# Altium PCB Board.PcbDoc (part 1 of 2)
Units mil, origin at the board's own origin, x right, y up, seen from the top; angles counter-clockwise.
Board outline 1037 x 1968 mil, 4 copper layers (Top Layer, GND, PWR, Bottom Layer), stack 23.756 mil thick; 83 components, 64 nets, 353 pads, 191 vias.
Unrouted connection lines stored in the file: 13.
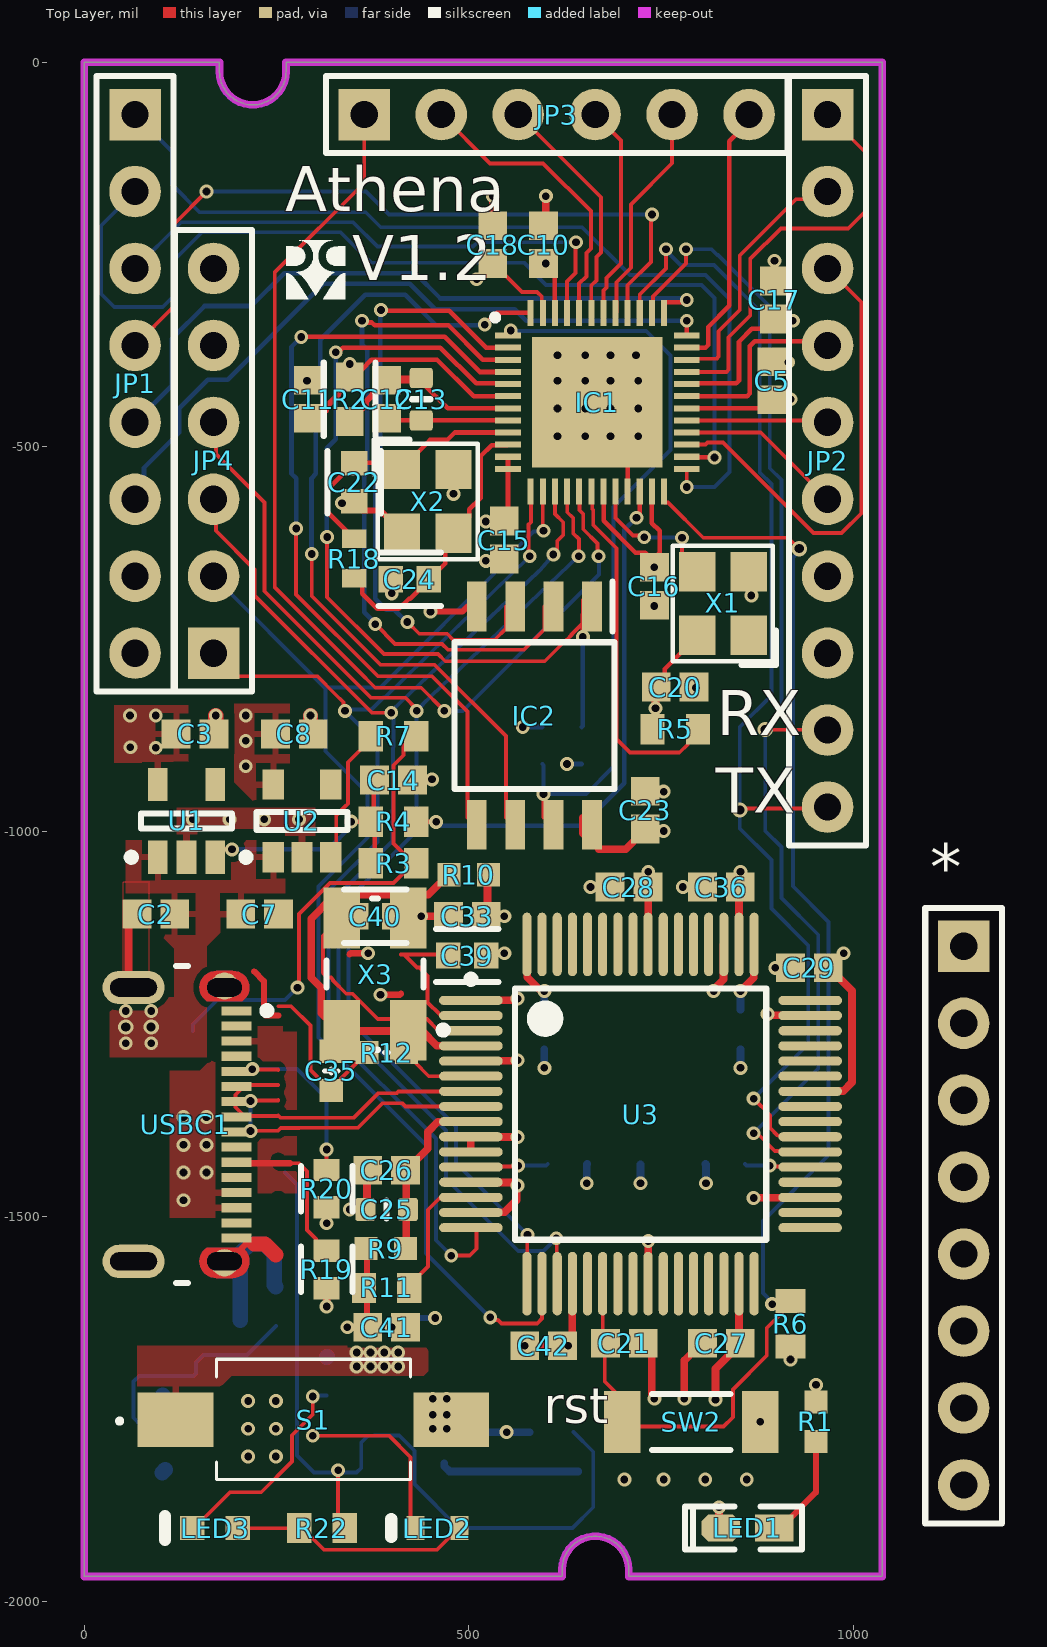
[diagram p0: Top Layer view]
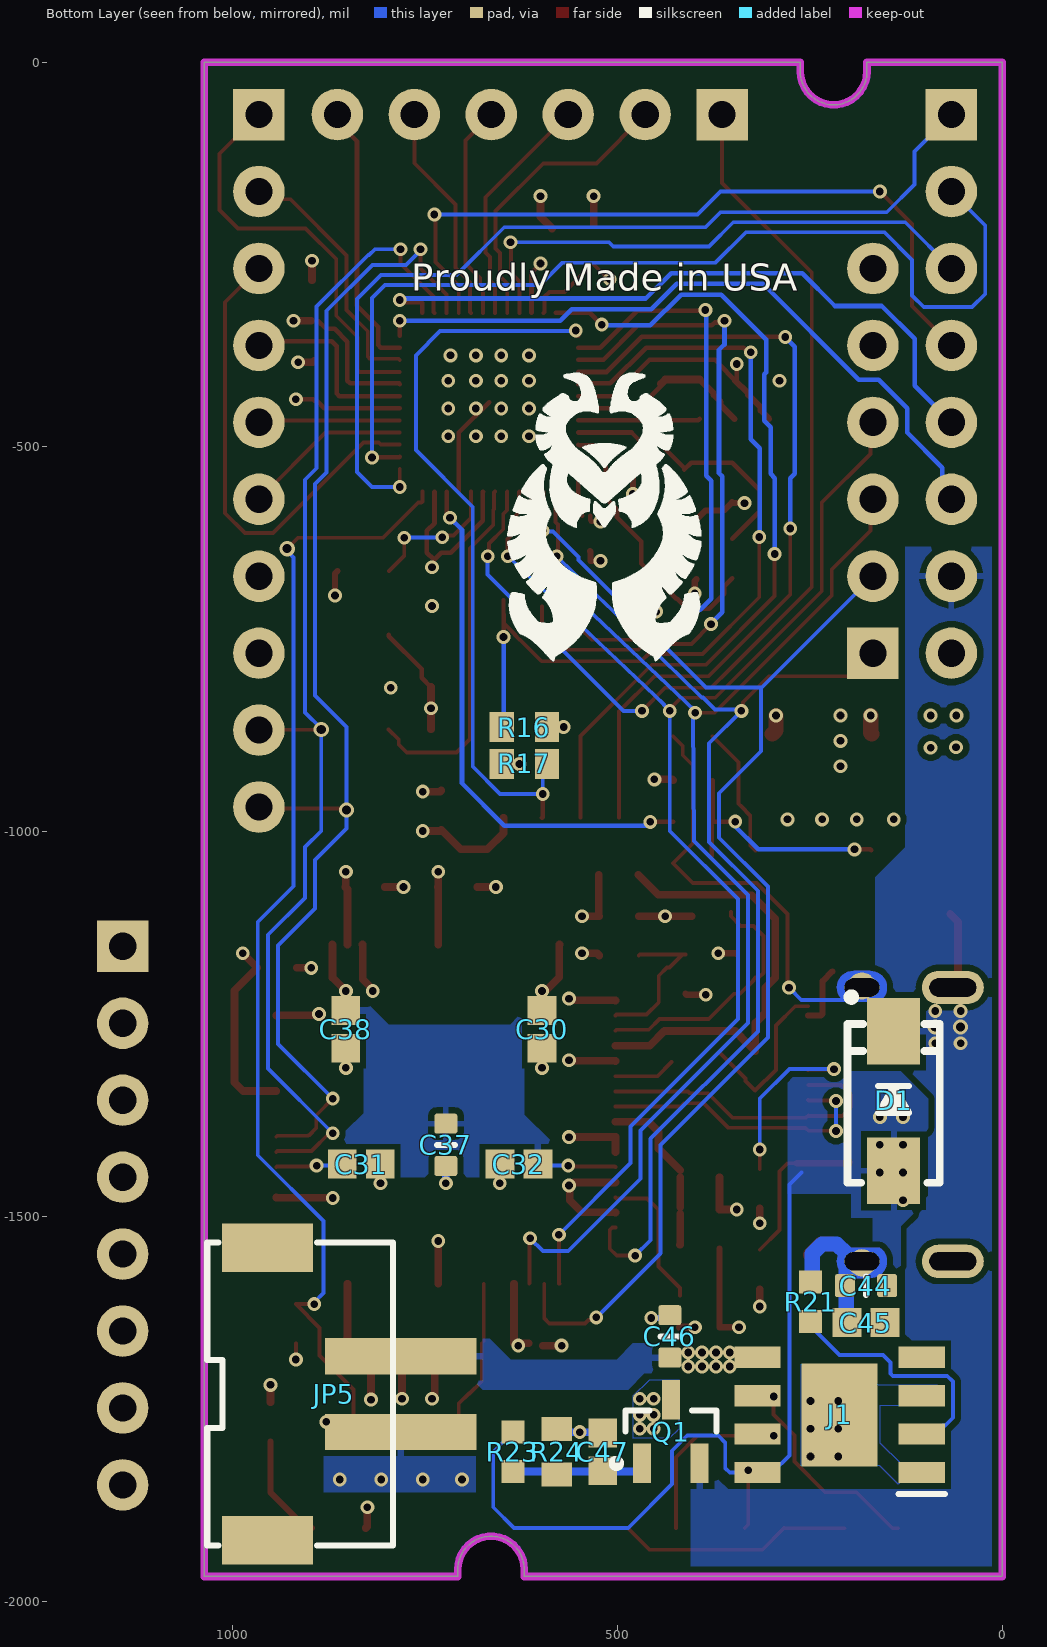
[diagram p1: Bottom Layer view, seen from below]
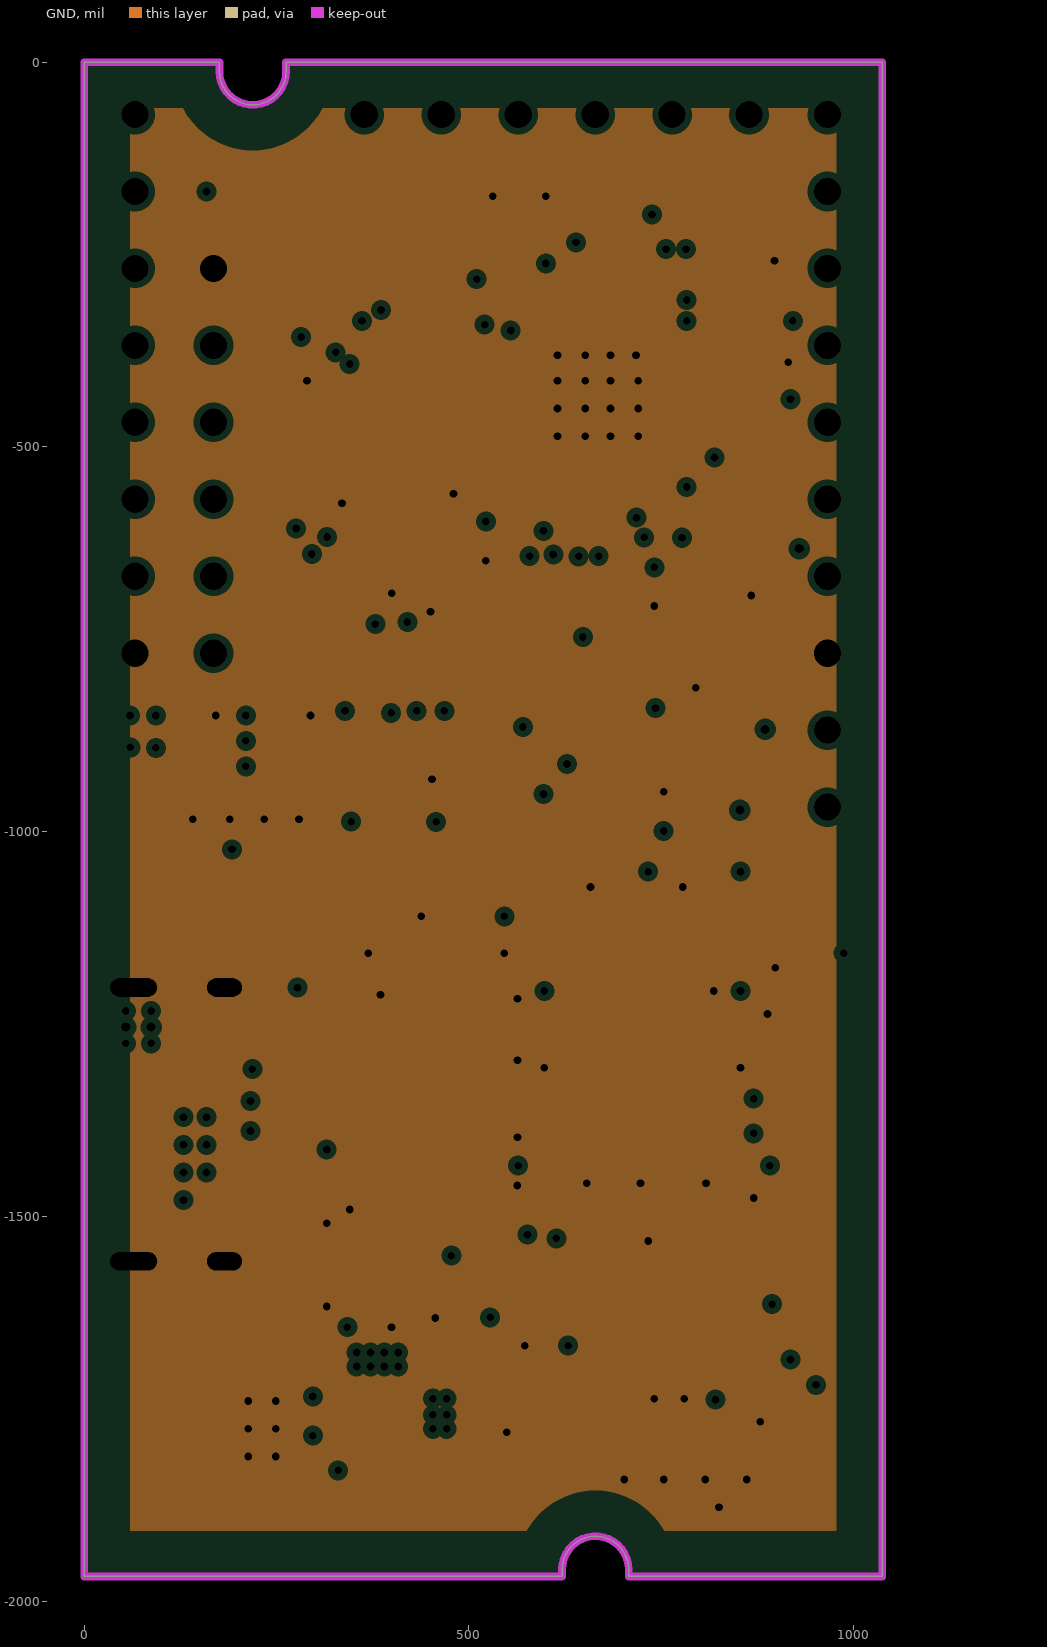
[diagram p2: GND, clearances drawn from the general rule]
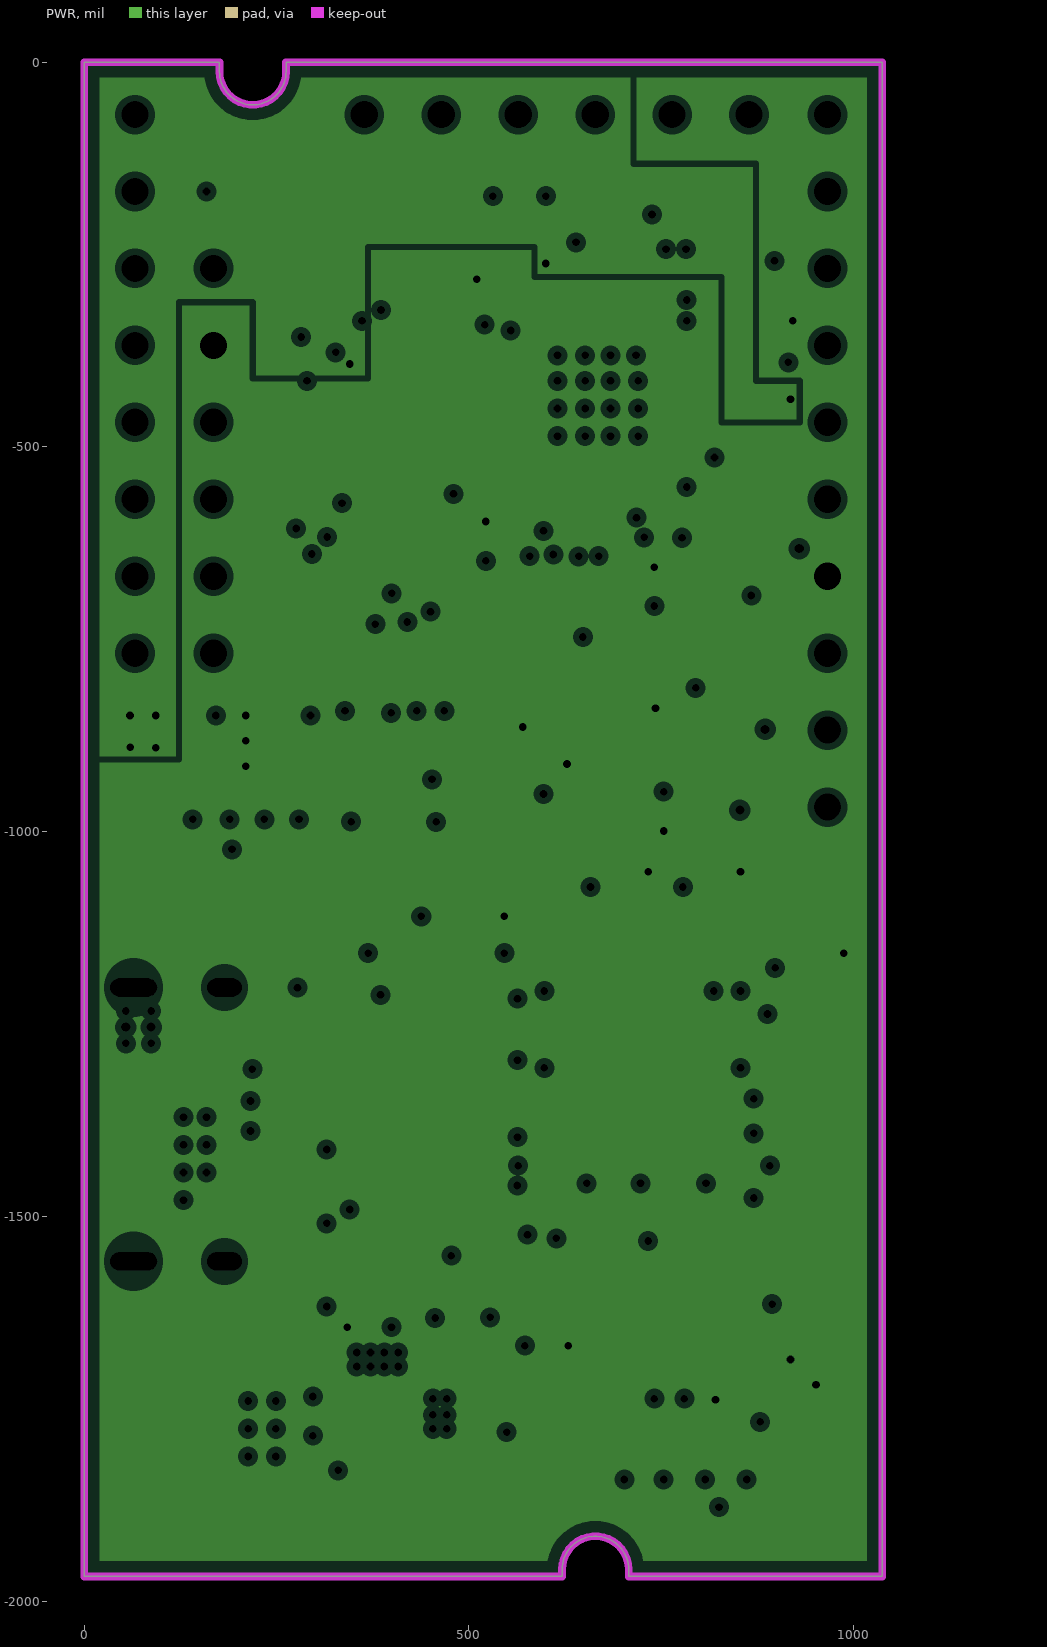
[diagram p3: PWR, clearances drawn from the general rule]

## Layer stack, top to bottom
Top Solder: solder mask 0.4, Solder Resist, Dk 3.5
Top Layer: signal copper 1.4
Dielectric 2: prepreg 2.8, PP-006, Dk 4.1
GND: plane copper 1.378, net GND
Dielectric 1: dielectric 12.6, FR-4, Dk 4.8
PWR: plane copper 1.378, net (Multiple Nets)
Dielectric 3: prepreg 2.8, PP-006, Dk 4.1
Bottom Layer: signal copper 1.4
Bottom Solder: solder mask 0.4, Solder Resist, Dk 3.5

## Board outline
175.69,-12 ccw(c219,-12) 262.31,-12 262.31,0 294,0 1037,0 1037,-1968 707.61,-1968 707.61,-1959 ccw(c664.31,-1959) 621,-1959 621,-1968 579,-1968 0,-1968 0,0 175.69,0

## Design rules (kind name [scope] priority, off if disabled: settings)
BoardOutlineClearance [All] p1: gap=7.87 ignorepadtopadclearanceinfootprint=FALSE
Clearance [All] p1: gap=8 ignorepadtopadclearanceinfootprint=FALSE except(9.84: Arc-Hole Track-Hole SMDPad-Hole THPad-Hole Via-Hole Fill-Hole Poly-Hole Region-Hole Text-Hole)
ComponentClearance [All] p1: gap=5 collisioncheckmode=3 verticalgap=5 showdistances=TRUE
DiffPairsRouting [All] p1: maxlimit=15 minlimit=8 mostfreqgap=8 toplayer_minwidth=8 toplayer_maxwidth=1000 toplayer_prefwidth=8 bottomlayer_minwidth=8 bottomlayer_maxwidth=1000 bottomlayer_prefwidth=8 maxuncoupledlength=500
Height [All] p1: minheight=0 maxheight=71497.94 prefheight=500
HoleSize [All] p1: absolutevalues=TRUE maxlimit=248.03 minlimit=11.81 maxpercent=80.000 minpercent=20.000
HoleToHoleClearance [All] p1: gap=9.84 allowstackedmicrovias=FALSE
MinimumAnnularRing [All] p1: minimumring=3
MinimumSolderMaskSliver [All] p1: minsoldermaskwidth=0
PlaneClearance [All] p1: clearance=8
PlaneConnect PlaneConnectPowerPads [InPadClass('PowerPads')] p1: planeconnectstyle=Direct reliefexpansion=20 reliefentries=4 reliefconductorwidth=10 reliefairgap=10
PlaneConnect [All] p2: pad.planeconnectstyle=Relief pad.reliefexpansion=11.81 pad.reliefentries=4 pad.reliefconductorwidth=8 pad.reliefairgap=8 via.planeconnectstyle=Direct via.reliefexpansion=11.81 via.reliefentries=4 via.reliefconductorwidth=5 via.reliefairgap=5
PolygonConnect PolygonConnectPowerPads [All vs (InPadClass('PowerPads'))] p1: connectstyle=Direct reliefconductorwidth=10 reliefentries=4 polygonreliefangle="90 Angle" airgapwidth=10
PolygonConnect [All] p2: thpad.connectstyle=Relief thpad.reliefconductorwidth=8 thpad.reliefentries=4 thpad.polygonreliefangle="90 Angle" thpad.airgapwidth=8 smdpad.connectstyle=Relief smdpad.reliefconductorwidth=8 smdpad.reliefentries=4 smdpad.polygonreliefangle="90 Angle" smdpad.airgapwidth=8 via.connectstyle=Direct via.reliefconductorwidth=5 via.reliefentries=4 via.polygonreliefangle="90 Angle" via.airgapwidth=5
RoutingVias [All] p1: holewidth=11.81 width=23.62 viastyle="Through Hole" minholewidth=11.81 minwidth=23.62 maxholewidth=23.62 maxwidth=259.84
SilkToSilkClearance [All] p1: silktosilkclearance=0
SilkToSolderMaskClearance [IsPad] p1: minsilkscreentomaskgap=5 clearancetoexposedcopper=TRUE
SolderMaskExpansion [All] p1: expansion=2.95 istentingtop=FALSE
Width [All] p1: maxlimit=1000 minlimit=8 preferedwidth=8 minimp=50.000000 maximp=50.000000 favimp=50.000000
20 further rules are at their usual default settings.

## Classes and differential pairs
component class Power: C2 C3 C5 C7 C8 C10 C11 C12 C13 C14 C15 C16 C17 C18 C44 C45 C46 C47 D1 J1 JP5 LED1 LED2 LED3 Q1 R1 R2 R3 R4 R7 R21 R22 R23 R24 S1 U1 U2
component class Main: * C20 C21 C22 C23 C24 IC1 IC2 JP1 JP2 JP3 JP4 R5 R6 R16 R17 R18 SW2 X1 X2
component class Debugger: C25 C26 C27 C28 C29 C30 C31 C32 C33 C35 C36 C37 C38 C39 C40 C41 C42 R9 R10 R11 R12 R19 R20 U3 USBC1 X3
differential pair USB_D: +USB_D_P -USB_D_N

## Components (designator, comment, footprint, x,y, rotation, side; value= is the part's Value field where it differs from the comment)
* "1-87220-8" 1-87220-8-Footprint-1 1143,-1149 r0 top
C2 "Capacitor 100 nF +/-10% 50 V 0603" CAPC1608X90X40NL10T20 93,-1107 r180 top value=100nF
C3 "Capacitor 100 nF +/-10% 50 V 0603" CAPC1608X90X40NL10T20 144,-873 r0 top value=100nF
C5 "Capacitor 100 nF +/-10% 50 V 0603" CAPC1608X90X40NL10T20 894,-414 r270 top value=100nF
C7 "Capacitor 100 nF +/-10% 50 V 0603" CAPC1608X90X40NL10T20 228,-1107 r0 top value=100nF
C8 "Capacitor 100 nF +/-10% 50 V 0603" CAPC1608X90X40NL10T20 273,-873 r0 top value=100nF
C10 "Capacitor 100 nF +/-10% 50 V 0603" CAPC1608X90X40NL10T20 597,-237 r270 top value=100nF
C11 "Capacitor 100 nF +/-10% 50 V 0603" CAPC1608X90X40NL10T20 291,-438 r270 top value=100nF
C12 "Capacitor 100 nF +/-10% 50 V 0603" CAPC1608X90X40NL10T20 393,-438 r90 top value=100nF
C13 "Capacitor 10µF +/-20% 10V 0603" CAPC0603(1608)100_L 438,-438 r90 top value=10µF
C14 "Capacitor 100 nF +/-10% 50 V 0603" CAPC1608X90X40NL10T20 402,-933 r180 top value=100nF
C15 "Capacitor 100 nF +/-10% 50 V 0603" CAPC1608X90X40NL10T20 546,-621 r90 top value=100nF
C16 "Capacitor 100 nF +/-10% 50 V 0603" CAPC1608X90X40NL10T20 741,-681 r90 top value=100nF
C17 "Capacitor 100 nF +/-10% 50 V 0603" CAPC1608X90X40NL10T20 897,-309 r270 top value=100nF
C18 "Capacitor 100 nF +/-10% 50 V 0603" CAPC1608X90X40NL10T20 531,-237 r270 top value=100nF
C20 "Capacitor 100 nF +/-10% 50 V 0603" CAPC1608X90X40NL10T20 768,-812 r180 top value=100nF
C21 "Capacitor 100 nF +/-10% 50 V 0603" CAPC1608X90X40NL10T20 702,-1665 r180 top value=100nF
C22 "06035A220JAT2A" FP-0603-L_1_6_0_15-W_0_81-IPC_C 351,-546 r90 top
C23 "Capacitor 100 nF +/-10% 50 V 0603" CAPC1608X90X40NL10T20 729,-972 r90 top value=100nF
C24 "06035A220JAT2A" FP-0603-L_1_6_0_15-W_0_81-IPC_C 423,-672 r0 top
C25 "Capacitor 10µF +/-20% 10V 0603" CAPC0603(1608)100_L 393,-1491 r0 top value=10µF
C26 "Capacitor 100 nF +/-10% 50 V 0603" CAPC1608X90X40NL10T20 393,-1440 r0 top value=100nF
C27 "Capacitor 100 nF +/-10% 50 V 0603" CAPC1608X90X40NL10T20 828,-1665 r0 top value=100nF
C28 "Capacitor 100 nF +/-10% 50 V 0603" CAPC1608X90X40NL10T20 708,-1072 r0 top value=100nF
C29 "Capacitor 100 nF +/-10% 50 V 0603" CAPC1608X90X40NL10T20 942.41,-1177 r0 top value=100nF
C30 "Capacitor 100 nF +/-10% 50 V 0603" CAPC1608X90X40NL10T20 598,-1257 r90 bottom value=100nF
C31 "Capacitor 100 nF +/-10% 50 V 0603" CAPC1608X90X40NL10T20 833,-1432 r0 bottom value=100nF
C32 "Capacitor 100 nF +/-10% 50 V 0603" CAPC1608X90X40NL10T20 628,-1432 r180 bottom value=100nF
C33 "Capacitor 100 nF +/-10% 50 V 0603" CAPC1608X90X40NL10T20 498,-1110 r0 top value=100nF
C35 "100nF" C0603_NS 321,-1311 r90 top
C36 "Capacitor 100 nF +/-10% 50 V 0603" CAPC1608X90X40NL10T20 828,-1072 r0 top value=100nF
C37 "Capacitor 10µF +/-20% 10V 0603" CAPC0603(1608)100_L 723,-1407 r90 bottom value=10µF
C38 "Capacitor 100 nF +/-10% 50 V 0603" CAPC1608X90X40NL10T20 853,-1257 r90 bottom value=100nF
C39 "06035A220JAT2A" FP-0603-L_1_6_0_15-W_0_81-IPC_C 498,-1161 r180 top
C40 "06035A220JAT2A" FP-0603-L_1_6_0_15-W_0_81-IPC_C 378,-1110 r180 top
C41 "Capacitor 100 nF +/-10% 50 V 0603" CAPC1608X90X40NL10T20 393,-1644 r180 top value=100nF
C42 "Capacitor 100 nF +/-10% 50 V 0603" CAPC1608X90X40NL10T20 597,-1668 r0 top value=100nF
C44 "Capacitor 10µF +/-20% 10V 0603" CAPC0603(1608)100_L 177,-1590 r180 bottom value=10µF
C45 "Capacitor 100 nF +/-10% 50 V 0603" CAPC1608X90X40NL10T20 177,-1638 r180 bottom value=100nF
C46 "Capacitor 10µF +/-20% 10V 0603" CAPC0603(1608)100_L 432,-1656 r270 bottom value=10µF
C47 "Capacitor 100 nF +/-10% 50 V 0603" CAPC1608X90X40NL10T20 519,-1806 r270 bottom value=100nF
D1 "SS14" SMA 141,-1350 r90 bottom
IC1 "FE310-G002" QFN40P600X600X93-49N 666.86,-441.88 r0 top
IC2 "W25Q32FWSSIG" W25Q32FWSSIG-Footprint-1 582,-864 r0 top
J1 "TP4056" SOIC127P600X175-9N 211.23,-1758 r0 bottom
JP1 "HDR-1X8" HDR2.54-M-LI-8P 66,-418 r270 top
JP2 "HDR-1X10" HDR2.54-LI-10P 966,-518 r270 top
JP3 "HDR-1X6" HDR2.54-M-LI-6P 614,-68 r0 top
JP4 "HDR-1X6" HDR2.54-M-LI-6P 168,-518 r90 top
JP5 "HDR-1X2" XH2.54-LS-2P 915,-1731 r90 bottom
LED1 "红色" LED0603_R 862,-1904.74 r180 top
LED2 "TLMB1100-GS08" VISH-TLMX1100-2_V 459,-1905 r180 top
LED3 "19-217/R6C-AL1M2VY/3T" EVRL-0603-2_V 170,-1905 r180 top
Q1 "AO3401" SOT23-3N 430.6,-1779.66 r90 bottom
R1 "330R" R0603_NS 951,-1767 r270 top
R2 "CRGP0603F100R" FP-CRGP0603-IPC_B 345,-438 r270 top
R3 "Resistor 100k +/-1% 0603 100 mW" RESC1608X55X25ML10T15 402,-1041 r0 top value=NC/100k
R4 "Resistor 100k +/-1% 0603 100 mW" RESC1608X55X25ML10T15 402,-987 r0 top value=100k
R5 "Resistor 100k +/-1% 0603 100 mW" RESC1608X55X25ML10T15 768,-867 r180 top value=100k
R6 "Resistor 100k +/-1% 0603 100 mW" RESC1608X55X25ML10T15 918,-1639.59 r270 top value=100k
R7 "Resistor 100k +/-1% 0603 100 mW" RESC1608X55X25ML10T15 402,-876 r0 top value=100k
R9 "PFC-W0603R-02-5R00-F" PFC-W0603R-02-5R00-F-Footprint-1 367.41,-1542 r180 top
R10 "PFC-W0603R-02-5R00-F" PFC-W0603R-02-5R00-F-Footprint-1 524.18,-1056 r0 top
R11 "Resistor 100k +/-1% 0603 100 mW" RESC1608X55X25ML10T15 393,-1593 r180 top value=100k
R12 "CRG0603F12K" CRG0603F12K-Footprint-1 368.96,-1287.52 r0 top
R16 "Resistor 100k +/-1% 0603 100 mW" RESC1608X55X25ML10T15 621,-864 r180 bottom value=100k
R17 "Resistor 100k +/-1% 0603 100 mW" RESC1608X55X25ML10T15 621,-912 r0 bottom value=100k
R18 "RC0603FR-071ML" RESC1608X55X25LL10T15 351,-645 r90 top
R19 "CRCW06035K10JNEA" FP-CRCW0603-e3-IPC_C 315,-1569 r90 top
R20 "CRCW06035K10JNEA" FP-CRCW0603-e3-IPC_C 315,-1464 r90 top
R21 "CRCW06031K20FKTA" CRCW06031K20FKTA-Footprint-1 249,-1614 r270 bottom
R22 "Resistor 1k +/-1% 0603 100 mW" RESC1608X55X25ML10T15 309,-1905 r0 top value=1k
R23 "0" R0603_NS 636,-1806 r90 bottom
R24 "Resistor 100k +/-1% 0603 100 mW" RESC1608X55X25ML10T15 579,-1806 r270 bottom value=100k
S1 "CFS-0101TB" CFS0101TB 297.87,-1764 r90 top
SW2 "SKRKAEE020" RESC5020X04N 789,-1767 r0 top
U1 "LDS3985M18R" SOT23-5L_N 133,-986 r90 top
U2 "MC78PC33NTRG" ONSC-SOT-23-5-1212-01_O_V 283,-986 r90 top
U3 "FT2232HL-Reel" LQFP-64_M 723,-1367 r0 top locked
USBC1 "213083-0005" FP-213083-0005-MFG 58.24,-1380.47 r270 top
X1 "KK3270029" KK3270029-Footprint-1 830.54,-702.66 r0 top
X2 "ASEMB-16.000MHZ-LC-T" ASEMB-16.000MHZ-LC-T-Footprint-1 446.54,-570.66 r0 top
X3 "7B-12.000MAAJ-T" TXC-7B-4_V 378,-1185 r90 top

## Footprints (in the part's own frame and the unit in brackets; to place one, negate y for a bottom-side part, rotate by r counter-clockwise, add the part's x,y. Pads: shape width x height; smd on the part's side, far side on the other; paste and mask are expansions set on the pad)
1-87220-8-Footprint-1 [mm]
  rect 1.7x1.7 hole 0.9: 1(0,0)
  round 1.7 hole 0.9: 2(0,-2.54) 3(0,-5.08) 4(0,-7.62) 5(0,-10.16) 6(0,-12.7) 7(0,-15.24) 8(0,-17.78)
  silkscreen extent -1.27,-19.05 1.27,1.27, body extent -1.27,-19.05 1.27,1.27, height 2.54
ASEMB-16.000MHZ-LC-T-Footprint-1 [mm]
  rect 1.2x1.3 smd: 1(-0.85,1.05) 2(-0.85,-1.05) 3(0.85,-1.05) 4(0.85,1.05)
  silkscreen extent -1.75,-1.91 1.65,2.03, body extent -1.25,-1.6 1.25,1.6, height 0.7
C0603_NS [mil] "ÌùÆ¬MLCCµçÈÝ-ÎÞË¿Ó¡"
  rect 30x30 smd: 1(-25.59,0) 2(25.59,0)
  silkscreen extent -3,-9 3,9, body extent -31,-16 32,16, height 33
CAPC0603(1608)100_L [mm] "Chip Capacitor, Body 1.6x0.8mm, Height 1.0mm, IPC High Density"
  rrect25% 0.66x0.76 smd: 1(-0.7,0) 2(0.7,0)
  silkscreen extent 0,-0.3 0,0.3, body extent -0.8,-0.4 0.8,0.4, height 0.95
CAPC1608X90X40NL10T20 [mm] "Chip Capacitor, 2-Leads, Body 1.70x0.90mm, IPC Medium Density"
  rect 0.95x0.95 smd: 1(-0.625,0) 2(0.625,0)
  body extent -0.85,-0.45 0.85,0.45, height 0.9
CFS0101TB [mm]
  rect 1.8x2.5 smd: 1(0,4.55) 2(0,-4.55)
  silkscreen extent -1.97,-3.2 2,6.45
CRCW06031K20FKTA-Footprint-1 [mil]
  rect 30x30 smd: 1(22.59,0) 2(-28.59,0)
  body extent -34,-16 28,16, height 16
CRG0603F12K-Footprint-1 [mil]
  rect 30x30 smd: 1(-1.55,0.52) 2(49.63,0.52)
  silkscreen extent 21,-8 27,10, body extent -7,-16 56,17, height 33
EVRL-0603-2_V [mm] "SMD, 2-Leads, Body 1.6x0.8mm"
  rect 0.8x0.8 smd: 1(-0.75,0) 2(0.75,0)
  silkscreen extent 1.65,-0.4 1.65,0.4, body extent -0.8,-0.4 0.8,0.4, height 0.5
FP-0603-L_1_6_0_15-W_0_81-IPC_C [mil]
  rect 31.75x34.18 smd paste+0 mask+0: 1(-24.64,0) 2(24.64,0)
  silkscreen extent -41,-35 41,35, body extent -44,-23 44,23, height 10
FP-213083-0005-MFG [mm]
  round 0.9 smd paste-1000 mask+0: 1(-4.57,3.15) 2(4.57,3.15)
  round 0.9 smd far side paste-1000 mask+0: 1(-4.57,3.15) 2(4.57,3.15)
  rrect100% 0.6x1.15 hole 1.15 slot 0.6 at 0 deg paste-1000 mask+0: 1(-4.52,3.15) 2(4.52,3.15)
  rrect100% 1.1x2.05 hole 1.55 slot 0.6 at 0 deg paste-1000 mask+0: 3(-4.52,0.15) 4(4.52,0.15)
  rect 0.3x1 smd paste+0 mask+0: A1(-3.75,3.55) A4(-2.75,3.55) A5(-1.75,3.55) A6(-0.75,3.55) A7(0.75,3.55) A8(1.75,3.55) A9(2.75,3.55) A12(3.75,3.55) B1(3.25,3.55) B4(2.25,3.55) B5(1.25,3.55) B6(0.25,3.55) B7(-0.25,3.55) B8(-1.25,3.55) B9(-2.25,3.55) B12(-3.25,3.55)
  Top Layer region: -4.52,3.975 -4.266,3.913 -4.07,3.74 -4.07,3.74 -4.07,2.56 -4.266,2.387 -4.52,2.325 -4.52,2.325 -4.73,2.367 -4.909,2.486 -5.028,2.665 -5.07,2.875 -5.07,2.875 -5.07,3.425 -4.996,3.7 -4.795,3.901 -4.52,3.975 -4.52,3.975
  Top Layer region: 4.52,3.975 4.266,3.913 4.07,3.74 4.07,3.74 4.07,2.56 4.266,2.387 4.52,2.325 4.52,2.325 4.73,2.367 4.909,2.486 5.028,2.665 5.07,2.875 5.07,2.875 5.07,3.425 4.996,3.7 4.795,3.901 4.52,3.975
  Bottom Layer region: -4.52,3.975 -4.266,3.913 -4.07,3.74 -4.07,3.74 -4.07,2.56 -4.266,2.387 -4.52,2.325 -4.52,2.325 -4.73,2.367 -4.909,2.486 -5.028,2.665 -5.07,2.875 -5.07,2.875 -5.07,3.425 -4.996,3.7 -4.795,3.901 -4.52,3.975 -4.52,3.975
  Bottom Layer region: 4.52,3.975 4.266,3.913 4.07,3.74 4.07,3.74 4.07,2.56 4.266,2.387 4.52,2.325 4.52,2.325 4.73,2.367 4.909,2.486 5.028,2.665 5.07,2.875 5.07,2.875 5.07,3.425 4.996,3.7 4.795,3.901 4.52,3.975
  silkscreen extent -5.23,1.55 5.23,4.68
FP-CRCW0603-e3-IPC_C [mil]
  rect 28.94x33.94 smd paste+0 mask+0: 1(-24.23,0) 2(24.23,0)
  silkscreen extent -30,-33 30,33, body extent -43,-23 43,23, height 10
FP-CRGP0603-IPC_B [mil]
  rect 37.72x35.91 smd paste+0 mask+0: 1(-28.62,0) 2(28.62,0)
  silkscreen extent -47,-34 47,34, body extent -57,-28 57,28, height 10
HDR2.54-LI-10P [mm] "ÅÅÕë£¬10½Å   ÌÔ±¦ID:»Æ¾§±¦Ê¯   µêÆÌÍøÖ·:https://shop463601444.taobao.com"
  rect 1.7x1.7 hole 0.9: 1(-11.43,0)
  round 1.7 hole 0.9: 2(-8.89,0) 3(-6.35,0) 4(-3.81,0) 5(-1.27,0) 6(1.27,0) 7(3.81,0) 8(6.35,0) 9(8.89,0) 10(11.43,0)
  silkscreen extent -12.7,-1.27 12.7,1.27, body extent -12.7,-1.27 12.7,1.27, height 8.5
HDR2.54-M-LI-6P [mm] "ÅÅÄ¸£¬6½Å"
  rect 1.7x1.7 hole 0.9: 1(-6.35,0)
  round 1.7 hole 0.9: 2(-3.81,0) 3(-1.27,0) 4(1.27,0) 5(3.81,0) 6(6.35,0)
  silkscreen extent -7.62,-1.27 7.62,1.27, body extent -7.62,-1.27 7.62,1.27, height 8.5
HDR2.54-M-LI-8P [mm] "ÅÅÄ¸£¬8½Å"
  rect 1.7x1.7 hole 0.9: 1(-8.89,0)
  round 1.7 hole 0.9: 2(-6.35,0) 3(-3.81,0) 4(-1.27,0) 5(1.27,0) 6(3.81,0) 7(6.35,0) 8(8.89,0)
  silkscreen extent -10.16,-1.27 10.16,1.27, body extent -10.16,-1.27 10.16,1.27, height 8.5
KK3270029-Footprint-1 [mm]
  rect 1.2x1.3 smd: 1(0.838,-1.067) 2(0.838,1.033) 3(-0.862,1.033) 4(-0.862,-1.067)
  silkscreen extent -1.66,-2.05 1.74,1.89, body extent -1.26,-1.62 1.24,1.58, height 0.7
LED0603_R [mil] "ºìÉ«0603LED"
  rect 50x35 smd: 1(-35,0.26)
  oct 50x35 smd: 2(35,0.26)
  silkscreen extent -71,-28 81,28, body extent -32,-16 31,16, height 18
LQFP-64_M [mm] "Thin QFP, 64-Leads, Body 10x10mm, Pitch 0.5mm, IPC Low Density"
  oval 2.1x0.3 smd: 1(-5.6,3.75) 2(-5.6,3.25) 3(-5.6,2.75) 4(-5.6,2.25) 5(-5.6,1.75) 6(-5.6,1.25) 7(-5.6,0.75) 8(-5.6,0.25) 9(-5.6,-0.25) 10(-5.6,-0.75) 11(-5.6,-1.25) 12(-5.6,-1.75) 13(-5.6,-2.25) 14(-5.6,-2.75) 15(-5.6,-3.25) 16(-5.6,-3.75) 33(5.6,-3.75) 34(5.6,-3.25) 35(5.6,-2.75) 36(5.6,-2.25) 37(5.6,-1.75) 38(5.6,-1.25) 39(5.6,-0.75) 40(5.6,-0.25) 41(5.6,0.25) 42(5.6,0.75) 43(5.6,1.25) 44(5.6,1.75) 45(5.6,2.25) 46(5.6,2.75) 47(5.6,3.25) 48(5.6,3.75)
  oval 0.3x2.1 smd: 17(-3.75,-5.6) 18(-3.25,-5.6) 19(-2.75,-5.6) 20(-2.25,-5.6) 21(-1.75,-5.6) 22(-1.25,-5.6) 23(-0.75,-5.6) 24(-0.25,-5.6) 25(0.25,-5.6) 26(0.75,-5.6) 27(1.25,-5.6) 28(1.75,-5.6) 29(2.25,-5.6) 30(2.75,-5.6) 31(3.25,-5.6) 32(3.75,-5.6) 49(3.75,5.6) 50(3.25,5.6) 51(2.75,5.6) 52(2.25,5.6) 53(1.75,5.6) 54(1.25,5.6) 55(0.75,5.6) 56(0.25,5.6) 57(-0.25,5.6) 58(-0.75,5.6) 59(-1.25,5.6) 60(-1.75,5.6) 61(-2.25,5.6) 62(-2.75,5.6) 63(-3.25,5.6) 64(-3.75,5.6)
  silkscreen extent -5.72,-4.15 4.15,4.57, body extent -5,-5 5,5, height 1.6
ONSC-SOT-23-5-1212-01_O_V [mm] "SOT23, 5-Leads, Body 3x1.80mm, Pitch 0.95mm"
  rect 1x0.7 smd: 1(-1.2,0.95) 2(-1.2,0) 3(-1.2,-0.95) 4(1.2,-0.95) 5(1.2,0.95)
  silkscreen extent -1.32,-1.5 0.3,1.97, body extent -1.55,-1.5 1.55,1.5, height 1.36
PFC-W0603R-02-5R00-F-Footprint-1 [mil]
  rect 30x30 smd: 1(1.18,0) 2(-50,0)
  body extent -56,-16 7,16, height 16
QFN40P600X600X93-49N [mm] "48½Å£¬³¤x¿íx¸ß£º7x7x1mm£¬½Å¾à£º0.5mm"
  rect 0.85x0.2 smd: 1(-2.95,2.2) 2(-2.95,1.8) 3(-2.95,1.4) 4(-2.95,1) 5(-2.95,0.6) 6(-2.95,0.2) 7(-2.95,-0.2) 8(-2.95,-0.6) 9(-2.95,-1) 10(-2.95,-1.4) 11(-2.95,-1.8) 12(-2.95,-2.2) 25(2.95,-2.2) 26(2.95,-1.8) 27(2.95,-1.4) 28(2.95,-1) 29(2.95,-0.6) 30(2.95,-0.2) 31(2.95,0.2) 32(2.95,0.6) 33(2.95,1) 34(2.95,1.4) 35(2.95,1.8) 36(2.95,2.2)
  rect 0.2x0.85 smd: 13(-2.2,-2.95) 14(-1.8,-2.95) 15(-1.4,-2.95) 16(-1,-2.95) 17(-0.6,-2.95) 18(-0.2,-2.95) 19(0.2,-2.95) 20(0.6,-2.95) 21(1,-2.95) 22(1.4,-2.95) 23(1.8,-2.95) 24(2.2,-2.95) 37(2.2,2.95) 38(1.8,2.95) 39(1.4,2.95) 40(1,2.95) 41(0.6,2.95) 42(0.2,2.95) 43(-0.2,2.95) 44(-0.6,2.95) 45(-1,2.95) 46(-1.4,2.95) 47(-1.8,2.95) 48(-2.2,2.95)
  rect 4.3x4.3 smd: 49(0,0)
  silkscreen extent -3.47,2.7 -3.27,2.9, body extent -3.05,-3.05 3.05,3.05, height 0.93
R0603_NS [mil] "1/10WÌùÆ¬µç×è-ÎÞË¿Ó¡"
  rect 30x30 smd: 1(-25.59,0) 2(25.59,0)
  body extent -31,-16 32,16, height 16
RESC1608X55X25LL10T15 [mm] "Chip Resistor, 2-Leads, Body 1.70x0.90mm, IPC High Density"
  rect 0.6x0.8 smd: 1(-0.65,0) 2(0.65,0)
  body extent -0.85,-0.45 0.85,0.45, height 0.55
RESC1608X55X25ML10T15 [mm] "Chip Resistor, 2-Leads, Body 1.70x0.90mm, IPC Low Density"
  rect 0.8x1 smd: 1(-0.75,0) 2(0.75,0)
  body extent -0.85,-0.45 0.85,0.45, height 0.55
RESC5020X04N [mm] "Chip Resistor, 2-Leads, Body 5.00x2.00mm, IPC Medium Density"
  rect 1.2x2.05 smd: 1(-2.275,0) 2(2.275,0)
  silkscreen extent -1.3,-0.93 1.3,0.92, body extent -2.5,-1 2.5,1, height 0.45
SMA [mm] "4.5x2.6*2.2mm£¨³¤¿í¸ß£¬²»°üÀ¨Òý½Å£©ÁªÏµÂô¼Ò Ãâ·Ñ²éÕÒ·â×°"
  rect 2.2x1.75 smd: 1(-2.3,0) 2(2.3,0)
  silkscreen extent -2.7,-1.52 3.56,1.52, body extent -2.55,-1.3 2.55,1.3, height 2.15
SOIC127P600X175-9N [mm]
  rect 1.525x0.7 smd: 1(-2.712,1.905) 2(-2.712,0.635) 3(-2.712,-0.635) 4(-2.712,-1.905) 5(2.712,-1.905) 6(2.712,-0.635) 7(2.712,0.635) 8(2.712,1.905)
  rect 2.513x3.402 smd: 9(0,0)
  silkscreen extent -3.47,2.61 -1.95,2.61, body extent -3,-2.45 3,2.45, height 1.75
SOT23-3N [mm] "SOT23, 3-Leads, Body 2.9x1.3mm, Pitch 0.95mm, Lead Span 2.4mm, IPC Medium Density"
  rect 1.3x0.6 smd: 1(-1.05,0.95) 2(-1.05,-0.95) 3(1.05,0)
  silkscreen extent -1.17,-1.5 0.7,1.93, body extent -1.2,-1.5 1.2,1.5, height 1.05
SOT23-5L_N [mm] "SOT23, 5-Leads, Body 2.9x1.6mm, Pitch 0.95mm, Lead Span 2.8mm, IPC Medium Density"
  rect 1.1x0.65 smd: 1(-1.2,0.95) 2(-1.2,0) 3(-1.2,-0.95) 4(1.2,-0.95) 5(1.2,0.95)
  silkscreen extent -1.32,-1.5 0.25,1.95, body extent -0.87,-1.5 0.87,1.5, height 1.45
TXC-7B-4_V [mm] "SMD, 4-Leads, Body 5x3.2mm, Pitch 3.7mm"
  rect 2x1.2 smd: 1(-1.85,-1.1) 2(1.85,-1.1) 3(1.85,1.1) 4(-1.85,1.1)
  silkscreen extent -2.5,-2.37 2.5,1.6, body extent -2.5,-1.6 2.5,1.6, height 1.05
VISH-TLMX1100-2_V [mm] "SMD, 2-Leads, Body 1.6x0.8mm"
  rect 0.6x0.8 smd: 1(-0.725,0) 2(0.725,0)
  silkscreen extent 1.53,-0.3 1.53,0.3, body extent -0.8,-0.4 0.8,0.4, height 0.65
W25Q32FWSSIG-Footprint-1 [mm]
  rect 0.65x1.65 smd: 1(1.981,3.974) 2(0.711,3.974) 3(-0.559,3.974) 4(-1.829,3.974) 5(-1.829,-3.226) 6(-0.559,-3.226) 7(0.711,-3.226) 8(1.981,-3.226)
  silkscreen extent -2.56,-2.05 2.72,4.8, body extent -2.56,-3.58 2.72,4.32, height 2.16
XH2.54-LS-2P [mm] "³¤£º10mm£¬¿í£º6mm£¬¸ß£º8.3mm    ÌÔ±¦ID:»Æ¾§±¦Ê¯   µêÆÌÍøÖ·:https://shop463601444.taobao.com"
  rect 1.6x3 smd: 0(-4.826,1.016) 0(4.826,1.016)
  rect 1.2x5 smd: 1(-1.25,-3.383) 2(1.25,-3.383)
  silkscreen extent -5,-3.13 5,3, body extent -5,-6 5,3

## Part data
*: library part CMP-002-00072-1, "Conn Unshrouded Header HDR 1x8 POS 2.54mm Solder ST Thru-Hole Carton"
C2 C3 C5 C7 C8 C10 C11 C12 C14 C15 C16 C17 C18 C20 C21 C23 C26 C27 C28 C29 C30 C31 C32 C33 C36 C38 C41 C42 C45 C47: library part CMP-001-00017-6, "Chip Capacitor, 100 nF, +/- 10%, 50 V, 0603 (1608 Metric)", Capacitor Type=Ceramic, Case/Package=0603, Max Operating Temperature=125°C, Min Operating Temperature=-55°C, Tolerance=10%, Voltage Rating=50V, Mounting Technology=SM, Pins=2, RoHS Compliant=True
C13 C25 C37 C44 C46: library part CMP-001-00075-4, "Chip Capacitor, 10µF +/-20%, 10V, 0603, Thickness 1 mm", Case/Package=0603, Max Operating Temperature=85°C, Min Operating Temperature=-55°C, Tolerance=10%, Voltage Rating=10V, Mounting Technology=SMT, Pins=2
C22 C24 C39 C40: library part CMP-001-00085-1, "0603 22 pF 50V ±5% Tolerance C0G/NP0 Surface Mount Multilayer Ceramic Capacitor"
C35: library part C, "贴片电容/MLCC电容", BOM名称=无极性贴片电容, 联系卖家，免费查找封装=唯一出售店铺网址https://shop463601444.taobao.com
D1: "肖特基二极管", BOM名称=肖特基二极管, 以赠品形式获赠本封装库的买家，还可联系卖家免费指导AD软件使用=封装库来自淘宝卖家ID：黄晶宝石, 属性=40V/1A
IC1: "Integrated Circuit", Manufacturer_Name=SiFive, Datasheet Link=https://sifive.cdn.prismic.io/sifive%2F3d777659-a0dd-49ed-a011-5bebba17aecf_fe310-g002-ds.pdf, Height=0.93mm, Manufacturer_Part_Number=FE310-G002
IC2: library part CMP-001-0001-2, "IC Flash 32M Spi 104MHZ 8SOIC / 1.8V 32M-BIT Serial Flash Memory With Dual/quad Spi & Qpi"
J1: "Connector", Manufacturer_Name="NanJing Top Power", Datasheet Link=https://dlnmh9ip6v2uc.cloudfront.net/datasheets/Prototyping/TP4056.pdf, Height=1.75mm, Manufacturer_Part_Number=TP4056
JP1: library part "Header 8", "8P接插件", BOM名称=8P接插件, 封装库来自淘宝卖家ID:黄晶宝石=其他店铺购入均为盗版假冒封装库，请立即申请退款，本店现金奖励20~200元, 联系卖家，免费查找封装=唯一出售店铺网址https://shop463601444.taobao.com
JP2: library part "Header 10", "10P接插件", BOM名称=10P接插件, 学习资源=https://shop463601444.taobao.com, 版权归属=淘宝ID:黄晶宝石
JP3 JP4: library part "Header 6", "6P接插件", BOM名称=6P接插件, 封装库来自淘宝卖家ID:黄晶宝石=其他店铺购入均为盗版假冒封装库，请立即申请退款，本店现金奖励20~200元, 联系卖家，免费查找封装=唯一出售店铺网址https://shop463601444.taobao.com
JP5: library part "Header 2", "2P接插件", BOM名称=2P接插件, 封装库来自淘宝卖家ID:黄晶宝石=其他店铺购入均为盗版假冒封装库，请立即申请退款，本店现金奖励20~200元, 联系卖家，免费查找封装=唯一出售店铺网址https://shop463601444.taobao.com
LED1: library part LED-SMD, "贴片LED", BOM名称=贴片LED, 封装库来自淘宝卖家ID：黄晶宝石=其他店铺购入均为盗版封装库，请立即申请退款，本店现金奖励20~200元
LED2: library part CMP-007-00028-2, "Blue LED, 10 mA, 3.9 V, -40 to 100 degC, 2-Pin SMD (0603), RoHS, Tape and Reel", Case/Package=0603, Colour=Blue, Forward Current=10mA, Forward Voltage=3.9V, Manufacturer="Vishay Semiconductor", Max Operating Temperature=100°C, Min Operating Temperature=-40°C, Package Description="2-Pin Surface Mount Device, Body 1.6 x 0.8 mm", Package Quantity=3000, Power=68mW, Datasheet URL=http://download.siliconexpert.com/pdfs/2016/8/7/12/43/26/667/vsh_/manual/379263299541529tlmb1100.pdf, Datasheet Version="Rev. 2.7, 03/2016", Illumination Colour=Blue, Lens Style=Diffused, Luminous Intensity=5mcd, Manufacturer URL=http://www.vishay.com/, Mounting Technology=SM, Nominal Vf=3.9V, Package Reference=0603, Packaging=TapeandReel, Pins=2, RoHS Compliant=True, Viewing Angle=160degrees
LED3: library part CMP-007-00004-2, "Chip LED, Red, 5 V, 25 mA, -40 to 85 degC, 2-Pin SMD (0603), RoHS, Tape and Reel", Case/Package=0603, Colour=Red, Forward Voltage=2.2V, Manufacturer="Everlight Electronics", Package Description="2-Pin Surface Mount Device, Body 1.6 x 0.8 mm", Datasheet URL=https://datasheet.ciiva.com/4688/el-19-217-r6c-al1m2vy-3tpdf-187026-4688713.pdf, Datasheet Version="Rev. 1, 01/2005", Lens Style=Clear, Manufacturer URL=http://www.everlight.com/, Mounting Technology=SM, Package Reference=0603, RoHS Compliant=False
Q1: "P沟道 30V/4.2A", 8元以下特价购入的买家=还可以联系卖家远程指导AD软件使用, BOM名称=场效应管, 参数="P沟道 30V/4.2A"
R1 R23: library part R, "贴片电阻", BOM名称=贴片电阻, 联系卖家，免费查找封装=唯一出售店铺网址https://shop463601444.taobao.com
R2: library part CMP-009-00180-1, "Res Thick Film 0603 100 Ohm 1% 0.25W(1/4W) ±100ppm/C Pad SMD T/R"
R3 R4 R5 R6 R7 R11 R16 R17 R24: library part CMP-009-00023-5, "Chip Resistor, 100 KOhm, +/- 1%, 0.1 W, -55 to 155 degC, 0603 (1608 Metric)", Case/Package=0603, Max Operating Temperature=155°C, Min Operating Temperature=-55°C, Power=100mW, Tolerance=1%, Voltage Rating=50V, Mounting Technology=SM, Pins=2, RoHS Compliant=True
R9 R10: library part CMP-009-00178-1, "5 Ohm 1% 50PPM 1/10W"
R12: library part CMP-001-00089-1, "Res Thick Film 0603 12K Ohm 1% 0.1W(1/10W) ±100ppm/C Pad SMD T/R"
R18: library part CMP-009-00177-1, "Res Thick Film 0603 1M Ohm 1% 1/10W ±100ppm/°C Molded SMD Paper T/R"
R19 R20: library part CMP-009-00179-1, "Res Thick Film 0603 5.1K Ohm 5% 1/10W ±200ppm/°C Molded SMD SMD Paper T/R"
R21: library part CMP-009-00181-1, "Res Thick Film 0603 1.2K Ohm 1% 1/10W ±100ppm/°C Molded SMD SMD Paper T/R"
R22: library part CMP-009-00014-5, "Chip Resistor, 1 KOhm, +/-1%, 0.1 W, -55 to 155 degC, 0603 (1608 Metric)", Case/Package=0603, Max Operating Temperature=155°C, Min Operating Temperature=-55°C, Power=100mW, Tolerance=1%, Voltage Rating=50V, Mounting Technology=SM, Pins=2, RoHS Compliant=True
S1: "Switch", Manufacturer_Name="NIDEC COPAL", Mouser Part Number=229-CFS-0101TB, Datasheet Link=https://au.mouser.com/datasheet/2/972/cfs-1628139.pdf, Height=4mm, Manufacturer_Part_Number=CFS-0101TB, Mouser Price/Stock=https://www.mouser.co.uk/ProductDetail/Nidec-Copal/CFS-0101TB?qs=XeJtXLiO41RUoaDpyshzOQ%3D%3D
SW2: library part CMP-011-00014-1, "Switch Tactile N.O. SPST Round Button Gull Wing 0.05A 12VDC 1.57N SMD T/R"
U1: library part CMP-019-00049-1, "LDS3985 Series 1.8 V 300 mA Fixed Surface Mount Voltage Regulator - SOT-23-5", Case/Package=SOT-23, Input Bias Current=85uA, Max Operating Temperature=125°C, Max Output current=300mA, Max Supply Current=300uA, Max Supply Voltage=6V, Min Input Voltage=2.5V, Min Operating Temperature=-40°C, Min Output Voltage=1.8V, Package Quantity=3000, Power Supply Rejection Ratio (PSRR)=50dB, Quiescent Current=150uA, Lead Free="Lead Free", Mounting Technology="Surface Mount", Number of Outputs=1, Number of Regulators=1, Output Configuration=Positive, Output Current=300mA, Output Type=Fixed, Output Voltage=1.8V, Packaging="Tape and Reel", Pins=5, Polarity=Positive, Radiation Hardening=No, RoHS Compliant=Yes, Series=-
U2: library part CMP-019-00028-3, "Low Noise Low Drop Out (LDO) Linear Voltage Regulator, 3.3 V Output Voltage, 150 mA, -40 to 85 degC, 5-Pin SOT-23 (1212-01), Pb-Free, Tape and Reel", Case/Package=SOT-23-5, Dropout Voltage=300mV, Manufacturer="ON Semiconductor", Max Input Voltage=8V, Max Operating Temperature=85°C, Max Ouput Current=150mA, Min Input Voltage=4.3V, Min Operating Temperature=-40°C, Nominal Output Voltage=3.3V, Package Description="5-Pin Small Outline Transistor, Body 2.9 x 1.65 mm, Pitch 0.95 mm", Package Quantity=3000, Package Reference=SOT-23-5-1212-01_O, Power=250mW, Datasheet URL=http://www.onsemi.com/pub_link/Collateral/MC78PC00-D.PDF, Datasheet Version="Rev. 6, 06/2005", Manufacturer URL=http://www.onsemi.com/, Mounting Technology=SM, Output Current=150mA, Output Voltage=3.3V, Outputs=1, Packaging=TapeandReel, Pins=5, Power Rating=250mW, RoHS Compliant=True
U3: library part CMP-0078-00023-3, "Dual High Speed USB To Multipurpose UART/FIFO IC, 64-pin LQFP, Tape and Reel", Manufacturer=FTDI, ComponentLink1Description="Manufacturer URL", ComponentLink1URL=http://www.ftdichip.com/, ComponentLink2Description=Datasheet, ComponentLink2URL=http://www.ftdichip.com/Support/Documents/DataSheets/ICs/DS_FT2232H.pdf, DatasheetVersion="ver 2.21, Jun-2012", PackageDescription="64-Pin Thin Quad Flat Pack, 10 x 10 x 1.4 mm Body, 0.5 mm Pitch", PackageReference=LQFP-64, PackageVersion=Jun-12, PartNumber=FT2232HL-Reel, RevisionNote="DatasheetVersion updated to 2.21 Jun-2012"
USBC1: library part CMP-002-00073-2, "Connector USB Type C Receptacle 16 Position 0.5mm Surface Mount Right Angle Emboss T/R"
X1: library part CMP-023-00000-1, "Xtal Osc Xo 32.7680KHZ Cmos SMD"
X2: library part CMP-023-00001-1, "Oscillator MEMS 16MHz ±50ppm (Stability) 15pF LVCMOS 55% 1.8V/2.5V/3.3V Automotive 4-Pin QFN SMD T/R"
X3: library part CMP-003-00007-2, "SMD Seam Sealing Crystal, 12 MHz, +/- 30 ppm, 18 pF, -10 to 70 degC, 4-Pin SMD, RoHS, Tape and Reel", Case/Package=7B-4, Frequency=12MHz, Frequency Tolerance=30ppm, Load Capacitance=18pF, Manufacturer=TXC, Max Operating Temperature=70°C, Min Operating Temperature=-20°C, Package Description="4-Pin Surface Mount Device, Body 5 x 3.2 mm, Pitch 3.7 mm", Package Quantity=1, Resistance=100Ohm, Datasheet URL=http://www.txccorp.com/download/products/quartz_crystals/2015TXC_7B_19.pdf, Datasheet Version=Jul-15, ESR=40, Mounting Technology=SM, Package Reference=7B-4, Packaging=TapeandReel, Pins=4, RoHS Compliant=True, Tolerance=30ppm

## Via types
v1: diameter 17.99, hole 10, Top Layer to Bottom Layer, 168 vias
v2: diameter 18, hole 10, Top Layer to Bottom Layer, 18 vias
v3: diameter 19.68, hole 11.81, Top Layer to Bottom Layer, 5 vias

## Nets (pads, with @x,y where several pads share a name; then routed paths per layer and width w, separated by ;. In a path a pad name is that pad's centre, name@x,y a point inside that pad or via, vN(x,y) a via of type N, cw(c..) or ccw(c..) an arc to the next point about the centre after c; other vN are vias at no path point)
1V8: C3.1 C5.2 C10.2 C11.2 IC1.6 IC1.30 IC1.46 R2.1 U1.5 | length 529.7
  Top Layer w6: R2.1@345,-412.4 v1(345,-392.09) ; R2.1@348,-412.4 367,-393.4 367,-392.51 373.1,-386.41 458.41,-386.41 506.01,-434.01 IC1.6@550.72,-434.01 ; v1(600,-261.61) 611.74,-273.35 IC1.46@611.74,-325.74 ; IC1.30@783,-449.76 880.83,-449.76 C5.2@891,-439.59 ; C5.2@894,-439.59 895.58,-438 v1(918,-438)
  Top Layer w8: C11.2@303,-463.59 314,-452.59 314,-448.38 330,-432.38 330,-430.41 R2.1@348,-412.41
  other v1: 93,-891 59.91,-890.37 59.55,-849 93,-849
3V3: C8.1 C15.2 C16.2 C17.2 C18.2 C20.2 C23.1 C27.2 C28.2 C29.2 C33.2 C36.2 C41.2 C42.2 IC1.11 IC1.12 IC1.19 IC1.23 IC1.32 IC1.47 IC2.8 JP2.7 JP4.5 R1.1 R5.2 R6.2 R9.1 R10.1 R11.2 R16.2 R17.2 U2.5 U3.20 U3.31 U3.42 U3.50 U3.56 X1.4 | length 1918.2
  Top Layer w5: v2(510,-282) 511.58,-282 C18.2@531,-262.59 ; C18.2@538.34,-268.08 538.34,-268.94 547.2,-277.81 548.06,-277.81 568.76,-298.51 588.53,-298.51 594.68,-304.66 594.68,-324.43 IC1.47@595.99,-325.74 ; v1(918,-1686) R6.2@918,-1665.18
  Top Layer w6: v1(522,-597) 534,-597 535.5,-595.5 C15.2@535.5,-589.5 ; C15.2@546,-589.41 550.72,-584.7 IC1.11@550.72,-512.75 ; IC1.19@674.73,-558.02 675,-558.29 675,-595.91 716.5,-637.41 729,-637.41 C16.2@737.72,-646.13 ; IC1.23@737.72,-558.02 737.72,-599.13 747.72,-609.13 747.72,-637.41 C16.2@739,-646.13 ; C16.2@739,-652.13 737.72,-652.13 741,-655.41 v1(741,-656.39) ; C20.2@742.41,-812 754.41,-800 754.41,-788.63 797.07,-745.97 X1.4@797.07,-744 ; IC1.32@783,-418.26 783.81,-417.45 847.48,-417.45 851,-413.93 851,-363.05 867.46,-346.59 878.82,-346.59 C17.2@889.41,-336
  Top Layer w8: v1(342,-1644) 367.41,-1644 367.41,-1593 R9.1@367.41,-1542
  Top Layer w10: R10.1@524.18,-1056 524.18,-1109.41 523.59,-1110 v2(546,-1110) ; C42.2@615.41,-1665 C42.2@634.59,-1665 ; C42.2@633.59,-1662 634.42,-1661.17 U3.20@634.42,-1587.47 ; IC2.8@648,-982 648,-1001.68 669.08,-1022.77 703.83,-1022.77 729,-997.59 730.41,-999 v2(753,-999) ; U3.56@732.84,-1146.53 732.84,-1072.75 733.59,-1072 733,-1071.42 v1(733,-1052) ; R5.2@742.41,-867 C20.2@742.41,-812 ; v1(820.41,-1738.19) 820.41,-1698.18 853.59,-1665 853.59,-1662 850.95,-1659.37 U3.31@850.95,-1587.47 ; U3.50@850.95,-1146.53 850.95,-1074.64 853.59,-1072 853,-1071.42 v1(853,-1052) ; C17.2@898.41,-336 v1(921,-336) ; U3.42@943.47,-1337.47 943.82,-1337.13 986.3,-1337.13 997.81,-1325.62 997.81,-1206.81 968,-1177 v1(987,-1158) ; R1.1@951,-1741.41 v2(951,-1719)
  Bottom Layer w6: v1(570,-864) R16.2@595.41,-864 ; v1(627.41,-912) R17.2@646.59,-912
  other v1: 629,-1668 210,-915 210,-882 210,-849 742.41,-839.5